# Altium PCB Meter50_v6.PcbDoc (part 2 of 3) (continued)
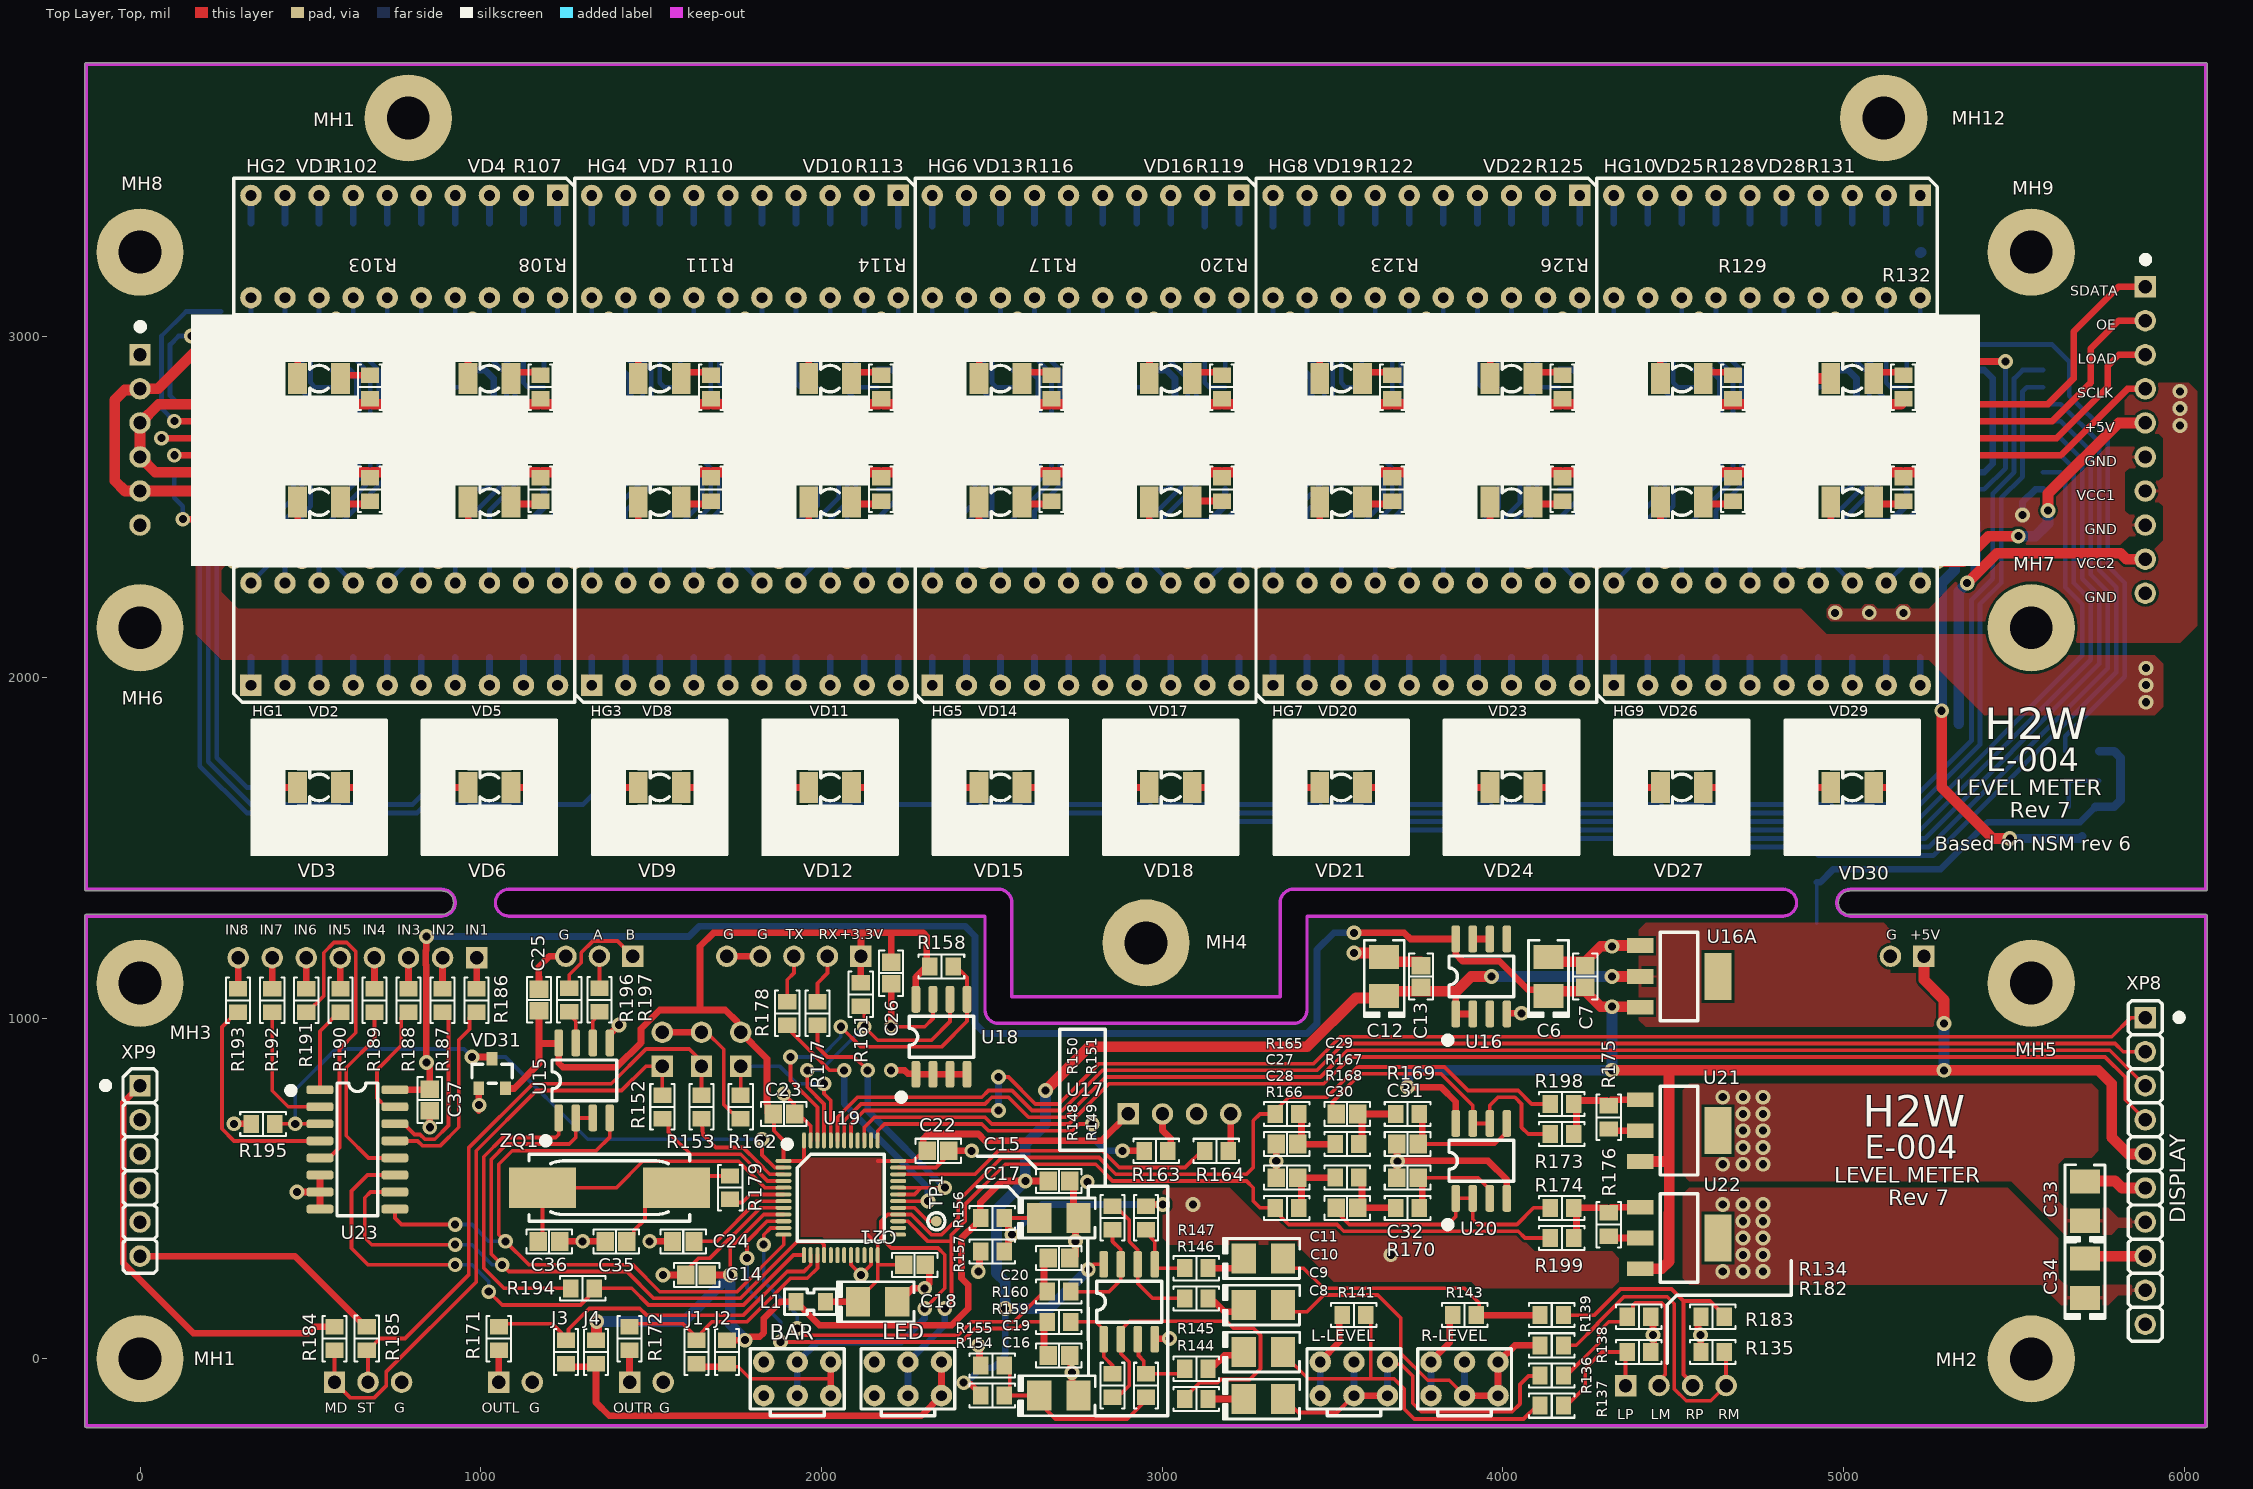
[diagram p0: Top Layer, Top view]
## Nets (pads, with @x,y where several pads share a name; then routed paths per layer and width w, separated by ;. In a path a pad name is that pad's centre, name@x,y a point inside that pad or via, vN(x,y) a via of type N, cw(c..) or ccw(c..) an arc to the next point about the centre after c; other vN are vias at no path point) (continued)
  Bottom Layer, Bottom w13.78: HG8.12@3425.59,3114.37 3425.59,2994.37 3500.59,2919.37 3500.59,2826.87 3525.59,2801.87 U9.3@3585.59,2801.87
L33: HG8.13 U9.2 | length 315.2
  Bottom Layer, Bottom w13.78: HG8.13@3525.59,3114.37 3525.59,2864.37 3538.09,2851.87 U9.2@3585.59,2851.87
L34: HG8.14 U9.1 | length 229.1
  Bottom Layer, Bottom w13.78: U9.1@3585.59,2901.87 3585.59,2999.37 3625.59,3039.37 HG8.14@3625.59,3114.37
L35: HG8.15 U10.15 | length 330.5
  Bottom Layer, Bottom w13.78: HG8.15@3725.59,3114.37 3725.59,2976.87 3700.59,2951.87 3700.59,2864.37 3713.09,2851.87 U10.15@3765.59,2851.87
L36: HG8.16 U10.3 | length 413.9
  Bottom Layer, Bottom w13.78: HG8.16@3825.59,3114.37 3825.59,2976.87 3900.59,2901.87 3900.59,2826.87 3925.59,2801.87 U10.3@3985.59,2801.87
L37: HG8.17 U10.2 | length 315.2
  Bottom Layer, Bottom w13.78: HG8.17@3925.59,3114.37 3925.59,2864.37 3938.09,2851.87 U10.2@3985.59,2851.87
L38: HG8.18 U10.1 | length 229.1
  Bottom Layer, Bottom w13.78: U10.1@3985.59,2901.87 3985.59,2999.37 4025.59,3039.37 HG8.18@4025.59,3114.37
L39: HG8.19 U11.15 | length 330.5
  Bottom Layer, Bottom w13.78: HG8.19@4125.59,3114.37 4125.59,2976.87 4100.59,2951.87 4100.59,2864.37 4113.09,2851.87 U11.15@4165.59,2851.87
L40: HG8.20 U11.3 | length 413.9
  Bottom Layer, Bottom w13.78: HG8.20@4225.59,3114.37 4225.59,2976.87 4300.59,2901.87 4300.59,2826.87 4325.59,2801.87 U11.3@4385.59,2801.87
L41: HG10.11 U11.2 | length 315.2
  Bottom Layer, Bottom w13.78: HG10.11@4325.59,3114.37 4325.59,2864.37 4338.09,2851.87 U11.2@4385.59,2851.87
L42: HG10.12 U11.1 | length 229.1
  Bottom Layer, Bottom w13.78: U11.1@4385.59,2901.87 4385.59,2999.37 4425.59,3039.37 HG10.12@4425.59,3114.37
L43: HG10.13 U12.15 | length 330.5
  Bottom Layer, Bottom w13.78: HG10.13@4525.59,3114.37 4525.59,2976.87 4500.59,2951.87 4500.59,2864.37 4513.09,2851.87 U12.15@4565.59,2851.87
L44: HG10.14 U12.3 | length 413.9
  Bottom Layer, Bottom w13.78: HG10.14@4625.59,3114.37 4625.59,2976.87 4700.59,2901.87 4700.59,2826.87 4725.59,2801.87 U12.3@4785.59,2801.87
L45: HG10.15 U12.2 | length 315.2
  Bottom Layer, Bottom w13.78: HG10.15@4725.59,3114.37 4725.59,2864.37 4738.09,2851.87 U12.2@4785.59,2851.87
L46: HG10.16 U12.1 | length 229.1
  Bottom Layer, Bottom w13.78: U12.1@4785.59,2901.87 4785.59,2999.37 4825.59,3039.37 HG10.16@4825.59,3114.37
L47: HG10.17 U13.15 | length 330.5
  Bottom Layer, Bottom w13.78: HG10.17@4925.59,3114.37 4925.59,2976.87 4900.59,2951.87 4900.59,2864.37 4913.09,2851.87 U13.15@4965.59,2851.87
L48: HG10.18 U13.3 | length 406.6
  Bottom Layer, Bottom w13.78: HG10.18@5025.59,3114.37 5025.59,2976.87 5100.59,2901.87 5100.59,2839.37 5138.09,2801.87 U13.3@5185.59,2801.87
L49: HG10.19 U13.2 | length 315.2
  Bottom Layer, Bottom w13.78: HG10.19@5125.59,3114.37 5125.59,2864.37 5138.09,2851.87 U13.2@5185.59,2851.87
L50: HG10.20 U13.1 | length 229.1
  Bottom Layer, Bottom w13.78: U13.1@5185.59,2901.87 5185.59,2999.37 5225.59,3039.37 HG10.20@5225.59,3114.37
LOAD: U1.12 U2.12 U3.12 U4.12 U5.12 U6.12 U7.12 U8.12 U9.12 U10.12 U11.12 U12.12 U13.12 U14.12 XS1.3 | length 7395.8
  Top Layer, Top w19.68: v1(63.09,2701.87) v1(463.09,2701.87) v1(863.09,2701.87) v1(1263.09,2701.87) v1(1663.09,2701.87) v1(2063.09,2701.87) v1(2463.09,2701.87) v1(2863.09,2701.87) v1(3263.09,2701.87) v1(3663.09,2701.87) v1(4063.09,2701.87) v1(4463.09,2701.87) v1(4863.09,2701.87) v1(5263.09,2701.87) 5625.59,2701.87 5775.59,2851.87 5775.59,2914.37 5808.07,2946.85 XS1.3@5885.83,2946.85
  Bottom Layer, Bottom w13.78: v1(63.09,2701.87) U1.12@165.59,2701.87 ; v1(463.09,2701.87) U2.12@565.59,2701.87 ; v1(863.09,2701.87) U3.12@965.59,2701.87 ; v1(1263.09,2701.87) U4.12@1365.59,2701.87 ; v1(1663.09,2701.87) U5.12@1765.59,2701.87 ; v1(2063.09,2701.87) U6.12@2165.59,2701.87 ; v1(2463.09,2701.87) U7.12@2565.59,2701.87 ; v1(2863.09,2701.87) U8.12@2965.59,2701.87 ; v1(3263.09,2701.87) U9.12@3365.59,2701.87 ; v1(3663.09,2701.87) U10.12@3765.59,2701.87 ; v1(4063.09,2701.87) U11.12@4165.59,2701.87 ; v1(4463.09,2701.87) U12.12@4565.59,2701.87 ; v1(4863.09,2701.87) U13.12@4965.59,2701.87 ; v1(5263.09,2701.87) U14.12@5365.59,2701.87
LOADP: U19.42 XP8.3 | length 4054.7
  Top Layer, Top w11: U19.42@2066.93,640.75 2066.93,698.82 2116.14,748.03 2480.31,748.03 2500,767.72 2549.21,767.72 2608.27,708.66 2716.54,708.66 2834.65,826.77 3464.57,826.77 3543.31,905.51 5781.5,905.51 XP8.3@5885.83,801.18
MD: JP1.1 R152.1 R184.2 XP10.1 | length 1801.8
  Top Layer, Top w11: R184.2@570.87,24.61 XP10.1@570.87,-68.9 616.14,-114.17 688.05,-114.17 722.44,-79.78 722.44,-38.78 986.71,225.49 986.71,610.49 1163.62,787.4 1413.62,787.4 1484.34,858.12 JP1.1@1533.09,858.12 R152.1@1533.09,783.1
MD1: R152.2 U19.4 | length 445.1
  Top Layer, Top w11: R152.2@1533.09,704.92 1551.02,687.78 1551.02,663.53 1554.31,660.24 1616.42,600.39 1763.13,600.39 1795.47,568.05 1795.47,567.83 1841.65,521.65 U19.4@1888.78,521.65
MD2: R153.1 U19.3 | length 332.3
  Top Layer, Top w11: R153.1@1648.09,704.92 1649.57,687.78 1652.16,657.8 1689.88,620.08 1770.13,620.08 1814.35,575.86 1814.35,575.65 1848.66,541.34 U19.3@1888.78,541.34
MUX: R195.2 U19.2 U23.3 VD31.3 | length 1948.1
  Top Layer, Top w11: R195.2@395.59,689.37 v1(455.59,689.37) U23.3@528.09,689.37 ; v1(1825.59,644.37) 1825.59,598.34 1862.91,561.02 U19.2@1888.78,561.02
  Top Layer, Top w19.68: v1(974.41,885.83) 1027.56,885.83 VD31.3@1033.46,879.92
  Bottom Layer, Bottom w11: v1(455.59,689.37) 455.59,789.37 575.59,909.37 950.87,909.37 v1(974.41,885.83) 1072.83,885.83 1314.29,644.37 v1(1825.59,644.37)
NetC8_1: C8.1 R144.2 | length 90.6
  Top Layer, Top w19.68: R144.2@3143.7,-118.11 C8.1@3234.25,-118.11
NetC8_2: C8.2 pad.0@3562.99,-9.84 pad.0@3661.42,-108.27 R136.1 R140.2 R140.3 | length 1167.2
  Top Layer, Top w11: C8.2@3360.24,-118.11 3399.61,-157.48 3513.78,-157.48 R140.2@3562.99,-108.27 ; R140.3@3661.42,-9.84 3667.71,-16.14 3701.1,-16.14 3735.59,-50.63 3735.59,-130.63 3760.59,-155.63 4027.44,-155.63 4050.59,-132.48 4050.59,-75.63 4075.82,-50.4 4108.06,-50.4 R136.1@4109.25,-49.21
  Top Layer, Top w19.68: R140.2@3562.99,-108.27 pad.0@3661.42,-108.27
  Bottom Layer, Bottom w19.68: R140.2@3562.99,-108.27 pad.0@3562.99,-9.84 ; pad.0@3661.42,-108.27 R140.3@3661.42,-9.84
NetC9_1: C9.1 R145.2 | length 106.9
  Top Layer, Top w19.68: R145.2@3143.7,-29.53 3183.07,9.84 C9.1@3234.25,9.84
NetC9_2: C9.2 R137.1 R141.1 | length 1061.9
  Top Layer, Top w11: C9.2@3360.24,5.91 3360.24,9.84 3429.13,-59.06 3612.2,-59.06 ; R141.1@3606.3,127.95 3612.2,122.05 3612.2,-59.06 ; R137.1@4100.39,-137.8 4061.02,-177.17 3740.16,-177.17 3710.63,-147.64 3710.63,-88.58 3681.1,-59.06 3612.2,-59.06
NetC10_1: C10.1 R146.2 | length 106.9
  Top Layer, Top w19.68: R146.2@3143.7,177.17 3183.07,137.8 C10.1@3234.25,137.8
NetC10_2: C10.2 pad.0@3887.8,-9.84 pad.0@3986.22,-108.27 R138.1 R142.2 R142.3 | length 1261.6
  Top Layer, Top w11: C10.2@3360.24,137.8 3425.2,137.8 3474.41,187.01 3632.95,187.01 3700.59,119.37 3700.59,15.48 3779.45,-63.37 3842.9,-63.37 R142.2@3887.8,-108.27
  Top Layer, Top w19.68: R142.2@3887.8,-108.27 pad.0@3986.22,-108.27 R142.3@3986.22,-9.84 4035.43,39.37 R138.1@4100.39,39.37
  Bottom Layer, Bottom w19.68: R142.2@3887.8,-108.27 pad.0@3887.8,-9.84 ; pad.0@3986.22,-108.27 R142.3@3986.22,-9.84
  Bottom Layer, Bottom w19.7: R142.3@3986.22,-9.84 R142.3@3987.8,-8.27
NetC11_1: C11.1 R147.2 | length 90.6
  Top Layer, Top w19.68: R147.2@3143.7,265.75 C11.1@3234.25,265.75
NetC11_2: C11.2 R139.1 R143.1 | length 818
  Top Layer, Top w11: C11.2@3360.24,265.75 3415.35,265.75 3474.41,206.69 3887.8,206.69 3931.1,163.39 R143.1@3931.1,127.95
  Top Layer, Top w19.68: R143.1@3931.1,127.95 R139.1@4100.39,127.95
NetC16_1: C16.1 R149.1 R154.1 R155.2 | length 593.1
  Top Layer, Top w11: R154.1@2536.45,-108 2553.15,-108 2553.15,-36.12 R155.2@2536.45,-19.42 ; R154.1@2553.15,-108.27 C16.1@2633.86,-108.27 ; R149.1@2952.76,-122.05 2897.64,-177.17 2687.01,-177.17 2624.02,-114.17 C16.1@2633.86,-108.27 ; C16.1@2633.86,-108.27 C16.1@2639.37,-108.27 C16.1@2633.86,-108.27
NetC17_1: C17.1 R151.1 R156.1 R157.2 | length 750.8
  Top Layer, Top w7.87: R156.1@2536.29,413.39 R156.1@2553.15,413.39
  Top Layer, Top w11: R156.1@2553.15,413.39 2633.86,413.39 C17.1@2639.37,413.39
  Top Layer, Top w19.68: R157.2@2536.29,314.96 2549.09,327.76 2549.09,347.81 2559.06,357.78 2559.06,370.57 2549.09,380.53 2549.09,400.59 R156.1@2536.29,413.39 ; R151.1@2952.76,456.69 2956.69,452.76 v1(3001.97,452.76)
  Bottom Layer, Bottom w19.68: v1(2559.06,364.17) 2647.64,452.76 v1(3001.97,452.76)
NetC24_2: C24.2 U19.7 | length 299.9
  Top Layer, Top w11: C24.2@1637.8,344.49 1692.91,344.49 1811.02,462.6 U19.7@1888.78,462.6
NetC27_2: C27.2 R165.1 R167.2 | length 179.1
  Top Layer, Top w19.68: R165.1@3409.45,718.5 3409.45,629.92 R167.2@3500,629.92
NetC28_2: C28.2 R166.1 R168.2 | length 179.1
  Top Layer, Top w19.68: R166.1@3409.45,442.91 3409.45,531.5 R168.2@3500,531.5
NetC29_1: C29.1 R167.1 R169.2 | length 179.1
  Top Layer, Top w19.68: R167.1@3586.61,629.92 3586.61,718.5 R169.2@3677.17,718.5
NetC29_2: C29.2 R173.1 U20.6 U20.7 | length 939
  Top Layer, Top w11: C29.2@3500,718.5 3500,753.94 3582.68,836.61 3818.9,836.61 3912.01,743.5 U20.7@3912.01,690.71 U20.6@3962.01,690.71 3962.01,743.5 3986.22,767.72 4035.43,767.72 4055.12,748.03 4055.12,679.13 4074.8,659.45 R173.1@4129.92,659.45
NetC30_1: C30.1 R168.1 R170.2 | length 179.1
  Top Layer, Top w19.68: R168.1@3586.61,531.5 3586.61,442.91 R170.2@3677.17,442.91
NetC30_2: C30.2 R174.1 U20.1 U20.2 | length 802.1
  Top Layer, Top w11: C30.2@3500,442.91 3549.21,393.7 3838.58,393.7 3862.01,417.13 U20.1@3862.01,470.71 U20.2@3912.01,470.71 3912.01,408.86 3927.17,393.7 4041.34,393.7 4090.55,442.91 R174.1@4129.92,442.91
NetC31_2: C31.2 R169.1 U20.5 | length 376.7
  Top Layer, Top w11: C31.2@3763.78,629.92 3976.38,629.92 4012.01,665.55 U20.5@4012.01,690.71
  Top Layer, Top w19.68: C31.2@3763.78,629.92 R169.1@3763.78,718.5
NetC32_2: C32.2 R170.1 U20.3 | length 327.2
  Top Layer, Top w11: C32.2@3763.78,531.5 3927.17,531.5 3962.01,496.65 U20.3@3962.01,470.71
  Top Layer, Top w19.68: R170.1@3763.78,442.91 C32.2@3763.78,531.5
NetC35_2: C35.2 R179.2 ZQ1.1 | length 412.6
  Top Layer, Top w11: C35.2@1429.13,344.49 1449.22,364.58 1449.22,376.39 1481.88,409.04 1481.88,448.41 1535.43,501.97 ZQ1.1@1574.8,501.97 1609.25,536.42 R179.2@1732.28,536.42
NetC36_2: C36.2 U19.5 ZQ1.2 | length 934.3
  Top Layer, Top w11: C36.2@1169.29,344.49 1181.1,356.3 ZQ1.2@1181.1,501.97 1398.41,501.97 1475.81,579.37 1757.46,579.37 1776.6,560.23 1776.6,560.01 1834.64,501.97 U19.5@1888.78,501.97
NetHG1_1: HG1.1 R3.2 | length 81.7
  Bottom Layer, Bottom w19.68: HG1.1@325.59,1976.87 R3.2@325.59,2058.56
NetHG1_2: HG1.2 R5.2 | length 81.7
  Bottom Layer, Bottom w19.68: HG1.2@425.59,1976.87 R5.2@425.59,2058.56
NetHG1_3: HG1.3 R7.2 | length 81.7
  Bottom Layer, Bottom w19.68: HG1.3@525.59,1976.87 R7.2@525.59,2058.56
NetHG1_4: HG1.4 R9.2 | length 81.7
  Bottom Layer, Bottom w19.68: HG1.4@625.59,1976.87 R9.2@625.59,2058.56
NetHG1_5: HG1.5 R11.2 | length 81.7
  Bottom Layer, Bottom w19.68: HG1.5@725.59,1976.87 R11.2@725.59,2058.56
NetHG1_6: HG1.6 R13.2 | length 81.7
  Bottom Layer, Bottom w19.68: HG1.6@825.59,1976.87 R13.2@825.59,2058.56
NetHG1_7: HG1.7 R15.2 | length 81.7
  Bottom Layer, Bottom w19.68: HG1.7@925.59,1976.87 R15.2@925.59,2058.56
NetHG1_8: HG1.8 R17.2 | length 81.7
  Bottom Layer, Bottom w19.68: HG1.8@1025.59,1976.87 R17.2@1025.59,2058.56
NetHG1_9: HG1.9 R19.2 | length 81.7
  Bottom Layer, Bottom w19.68: HG1.9@1125.59,1976.87 R19.2@1125.59,2058.56
NetHG1_10: HG1.10 R21.2 | length 81.7
  Bottom Layer, Bottom w19.68: HG1.10@1225.59,1976.87 R21.2@1225.59,2058.56
NetHG2_1: HG2.1 R20.1 | length 81.7
  Bottom Layer, Bottom w19.68: R20.1@1225.59,3332.68 HG2.1@1225.59,3414.37
NetHG2_2: HG2.2 R18.1 | length 81.7
  Bottom Layer, Bottom w19.68: R18.1@1125.59,3332.68 HG2.2@1125.59,3414.37
NetHG2_3: HG2.3 R16.1 | length 81.7
  Bottom Layer, Bottom w19.68: R16.1@1025.59,3332.68 HG2.3@1025.59,3414.37
NetHG2_4: HG2.4 R14.1 | length 81.7
  Bottom Layer, Bottom w19.68: R14.1@925.59,3332.68 HG2.4@925.59,3414.37
NetHG2_5: HG2.5 R12.1 | length 81.7
  Bottom Layer, Bottom w19.68: R12.1@825.59,3332.68 HG2.5@825.59,3414.37
NetHG2_6: HG2.6 R10.1 | length 81.7
  Bottom Layer, Bottom w19.68: R10.1@725.59,3332.68 HG2.6@725.59,3414.37
NetHG2_7: HG2.7 R8.1 | length 81.7
  Bottom Layer, Bottom w19.68: R8.1@625.59,3332.68 HG2.7@625.59,3414.37
NetHG2_8: HG2.8 R6.1 | length 81.7
  Bottom Layer, Bottom w19.68: R6.1@525.59,3332.68 HG2.8@525.59,3414.37
NetHG2_9: HG2.9 R4.1 | length 81.7
  Bottom Layer, Bottom w19.68: R4.1@425.59,3332.68 HG2.9@425.59,3414.37
NetHG2_10: HG2.10 R2.1 | length 81.7
  Bottom Layer, Bottom w19.68: R2.1@325.59,3332.68 HG2.10@325.59,3414.37
NetHG3_1: HG3.1 R23.2 | length 81.7
  Bottom Layer, Bottom w19.68: HG3.1@1325.59,1976.87 R23.2@1325.59,2058.56
NetHG3_2: HG3.2 R25.2 | length 81.7
  Bottom Layer, Bottom w19.68: HG3.2@1425.59,1976.87 R25.2@1425.59,2058.56
NetHG3_3: HG3.3 R27.2 | length 81.7
  Bottom Layer, Bottom w19.68: HG3.3@1525.59,1976.87 R27.2@1525.59,2058.56
NetHG3_4: HG3.4 R29.2 | length 81.7
  Bottom Layer, Bottom w19.68: HG3.4@1625.59,1976.87 R29.2@1625.59,2058.56
NetHG3_5: HG3.5 R31.2 | length 81.7
  Bottom Layer, Bottom w19.68: HG3.5@1725.59,1976.87 R31.2@1725.59,2058.56
NetHG3_6: HG3.6 R33.2 | length 81.7
  Bottom Layer, Bottom w19.68: HG3.6@1825.59,1976.87 R33.2@1825.59,2058.56
NetHG3_7: HG3.7 R35.2 | length 81.7
  Bottom Layer, Bottom w19.68: HG3.7@1925.59,1976.87 R35.2@1925.59,2058.56
NetHG3_8: HG3.8 R37.2 | length 81.7
  Bottom Layer, Bottom w19.68: HG3.8@2025.59,1976.87 R37.2@2025.59,2058.56
NetHG3_9: HG3.9 R39.2 | length 81.7
  Bottom Layer, Bottom w19.68: HG3.9@2125.59,1976.87 R39.2@2125.59,2058.56
NetHG3_10: HG3.10 R41.2 | length 81.7
  Bottom Layer, Bottom w19.68: HG3.10@2225.59,1976.87 R41.2@2225.59,2058.56
NetHG4_1: HG4.1 R40.1 | length 90.6
  Bottom Layer, Bottom w19.68: R40.1@2225.59,3323.82 HG4.1@2225.59,3414.37
NetHG4_2: HG4.2 R38.1 | length 81.7
  Bottom Layer, Bottom w19.68: R38.1@2125.59,3332.68 HG4.2@2125.59,3414.37
NetHG4_3: HG4.3 R36.1 | length 81.7
  Bottom Layer, Bottom w19.68: R36.1@2025.59,3332.68 HG4.3@2025.59,3414.37
NetHG4_4: HG4.4 R34.1 | length 81.7
  Bottom Layer, Bottom w19.68: R34.1@1925.59,3332.68 HG4.4@1925.59,3414.37
NetHG4_5: HG4.5 R32.1 | length 81.7
  Bottom Layer, Bottom w19.68: R32.1@1825.59,3332.68 HG4.5@1825.59,3414.37
NetHG4_6: HG4.6 R30.1 | length 81.7
  Bottom Layer, Bottom w19.68: R30.1@1725.59,3332.68 HG4.6@1725.59,3414.37
NetHG4_7: HG4.7 R28.1 | length 81.7
  Bottom Layer, Bottom w19.68: R28.1@1625.59,3332.68 HG4.7@1625.59,3414.37
NetHG4_8: HG4.8 R26.1 | length 81.7
  Bottom Layer, Bottom w19.68: R26.1@1525.59,3332.68 HG4.8@1525.59,3414.37
NetHG4_9: HG4.9 R24.1 | length 81.7
  Bottom Layer, Bottom w19.68: R24.1@1425.59,3332.68 HG4.9@1425.59,3414.37
NetHG4_10: HG4.10 R22.1 | length 81.7
  Bottom Layer, Bottom w19.68: R22.1@1325.59,3332.68 HG4.10@1325.59,3414.37
NetHG5_1: HG5.1 R43.2 | length 81.7
  Bottom Layer, Bottom w19.68: HG5.1@2325.59,1976.87 R43.2@2325.59,2058.56
NetHG5_2: HG5.2 R45.2 | length 81.7
  Bottom Layer, Bottom w19.68: HG5.2@2425.59,1976.87 R45.2@2425.59,2058.56
NetHG5_3: HG5.3 R47.2 | length 81.7
  Bottom Layer, Bottom w19.68: HG5.3@2525.59,1976.87 R47.2@2525.59,2058.56
NetHG5_4: HG5.4 R49.2 | length 81.7
  Bottom Layer, Bottom w19.68: HG5.4@2625.59,1976.87 R49.2@2625.59,2058.56
NetHG5_5: HG5.5 R51.2 | length 81.7
  Bottom Layer, Bottom w19.68: HG5.5@2725.59,1976.87 R51.2@2725.59,2058.56
NetHG5_6: HG5.6 R53.2 | length 81.7
  Bottom Layer, Bottom w19.68: HG5.6@2825.59,1976.87 R53.2@2825.59,2058.56
NetHG5_7: HG5.7 R55.2 | length 81.7
  Bottom Layer, Bottom w19.68: HG5.7@2925.59,1976.87 R55.2@2925.59,2058.56
NetHG5_8: HG5.8 R57.2 | length 81.7
  Bottom Layer, Bottom w19.68: HG5.8@3025.59,1976.87 R57.2@3025.59,2058.56
NetHG5_9: HG5.9 R59.2 | length 81.7
  Bottom Layer, Bottom w19.68: HG5.9@3125.59,1976.87 R59.2@3125.59,2058.56
NetHG5_10: HG5.10 R61.2 | length 81.7
  Bottom Layer, Bottom w19.68: HG5.10@3225.59,1976.87 R61.2@3225.59,2058.56
NetHG6_1: HG6.1 R60.1 | length 81.7
  Bottom Layer, Bottom w19.68: R60.1@3225.59,3332.68 HG6.1@3225.59,3414.37
NetHG6_2: HG6.2 R58.1 | length 90.6
  Bottom Layer, Bottom w19.68: R58.1@3125.59,3323.82 HG6.2@3125.59,3414.37
NetHG6_3: HG6.3 R56.1 | length 81.7
  Bottom Layer, Bottom w19.68: R56.1@3025.59,3332.68 HG6.3@3025.59,3414.37
NetHG6_4: HG6.4 R54.1 | length 81.7
  Bottom Layer, Bottom w19.68: R54.1@2925.59,3332.68 HG6.4@2925.59,3414.37
NetHG6_5: HG6.5 R52.1 | length 81.7
  Bottom Layer, Bottom w19.68: R52.1@2825.59,3332.68 HG6.5@2825.59,3414.37
NetHG6_6: HG6.6 R50.1 | length 81.7
  Bottom Layer, Bottom w19.68: R50.1@2725.59,3332.68 HG6.6@2725.59,3414.37
NetHG6_7: HG6.7 R48.1 | length 81.7
  Bottom Layer, Bottom w19.68: R48.1@2625.59,3332.68 HG6.7@2625.59,3414.37
NetHG6_8: HG6.8 R46.1 | length 81.7
  Bottom Layer, Bottom w19.68: R46.1@2525.59,3332.68 HG6.8@2525.59,3414.37
NetHG6_9: HG6.9 R44.1 | length 81.7
  Bottom Layer, Bottom w19.68: R44.1@2425.59,3332.68 HG6.9@2425.59,3414.37
NetHG6_10: HG6.10 R42.1 | length 90.6
  Bottom Layer, Bottom w19.68: R42.1@2325.59,3323.82 HG6.10@2325.59,3414.37
NetHG7_1: HG7.1 R63.2 | length 81.7
  Bottom Layer, Bottom w19.68: HG7.1@3325.59,1976.87 R63.2@3325.59,2058.56
NetHG7_2: HG7.2 R65.2 | length 81.7
  Bottom Layer, Bottom w19.68: HG7.2@3425.59,1976.87 R65.2@3425.59,2058.56
NetHG7_3: HG7.3 R67.2 | length 81.7
  Bottom Layer, Bottom w19.68: HG7.3@3525.59,1976.87 R67.2@3525.59,2058.56
NetHG7_4: HG7.4 R69.2 | length 81.7
  Bottom Layer, Bottom w19.68: HG7.4@3625.59,1976.87 R69.2@3625.59,2058.56
NetHG7_5: HG7.5 R71.2 | length 81.7
  Bottom Layer, Bottom w19.68: HG7.5@3725.59,1976.87 R71.2@3725.59,2058.56
NetHG7_6: HG7.6 R73.2 | length 81.7
  Bottom Layer, Bottom w19.68: HG7.6@3825.59,1976.87 R73.2@3825.59,2058.56
NetHG7_7: HG7.7 R75.2 | length 81.7
  Bottom Layer, Bottom w19.68: HG7.7@3925.59,1976.87 R75.2@3925.59,2058.56
NetHG7_8: HG7.8 R77.2 | length 81.7
  Bottom Layer, Bottom w19.68: HG7.8@4025.59,1976.87 R77.2@4025.59,2058.56
NetHG7_9: HG7.9 R79.2 | length 81.7
  Bottom Layer, Bottom w19.68: HG7.9@4125.59,1976.87 R79.2@4125.59,2058.56
NetHG7_10: HG7.10 R81.2 | length 81.7
  Bottom Layer, Bottom w19.68: HG7.10@4225.59,1976.87 R81.2@4225.59,2058.56
NetHG8_1: HG8.1 R80.1 | length 81.7
  Bottom Layer, Bottom w19.68: R80.1@4225.59,3332.68 HG8.1@4225.59,3414.37
NetHG8_2: HG8.2 R78.1 | length 81.7
  Bottom Layer, Bottom w19.68: R78.1@4125.59,3332.68 HG8.2@4125.59,3414.37
NetHG8_3: HG8.3 R76.1 | length 81.7
  Bottom Layer, Bottom w19.68: R76.1@4025.59,3332.68 HG8.3@4025.59,3414.37
NetHG8_4: HG8.4 R74.1 | length 81.7
  Bottom Layer, Bottom w19.68: R74.1@3925.59,3332.68 HG8.4@3925.59,3414.37
NetHG8_5: HG8.5 R72.1 | length 81.7
  Bottom Layer, Bottom w19.68: R72.1@3825.59,3332.68 HG8.5@3825.59,3414.37
NetHG8_6: HG8.6 R70.1 | length 81.7
  Bottom Layer, Bottom w19.68: R70.1@3725.59,3332.68 HG8.6@3725.59,3414.37
NetHG8_7: HG8.7 R68.1 | length 81.7
  Bottom Layer, Bottom w19.68: R68.1@3625.59,3332.68 HG8.7@3625.59,3414.37
NetHG8_8: HG8.8 R66.1 | length 81.7
  Bottom Layer, Bottom w19.68: R66.1@3525.59,3332.68 HG8.8@3525.59,3414.37
NetHG8_9: HG8.9 R64.1 | length 81.7
  Bottom Layer, Bottom w19.68: R64.1@3425.59,3332.68 HG8.9@3425.59,3414.37
NetHG8_10: HG8.10 R62.1 | length 90.6
  Bottom Layer, Bottom w19.68: R62.1@3325.59,3323.82 HG8.10@3325.59,3414.37
NetHG9_1: HG9.1 R83.2 | length 81.7
  Bottom Layer, Bottom w19.68: HG9.1@4325.59,1976.87 R83.2@4325.59,2058.56
NetHG9_2: HG9.2 R85.2 | length 81.7
  Bottom Layer, Bottom w19.68: HG9.2@4425.59,1976.87 R85.2@4425.59,2058.56
NetHG9_3: HG9.3 R87.2 | length 81.7
  Bottom Layer, Bottom w19.68: HG9.3@4525.59,1976.87 R87.2@4525.59,2058.56
NetHG9_4: HG9.4 R89.2 | length 81.7
  Bottom Layer, Bottom w19.68: HG9.4@4625.59,1976.87 R89.2@4625.59,2058.56
NetHG9_5: HG9.5 R91.2 | length 81.7
  Bottom Layer, Bottom w19.68: HG9.5@4725.59,1976.87 R91.2@4725.59,2058.56
NetHG9_6: HG9.6 R93.2 | length 81.7
  Bottom Layer, Bottom w19.68: HG9.6@4825.59,1976.87 R93.2@4825.59,2058.56
NetHG9_7: HG9.7 R95.2 | length 81.7
  Bottom Layer, Bottom w19.68: HG9.7@4925.59,1976.87 R95.2@4925.59,2058.56
NetHG9_8: HG9.8 R97.2 | length 81.7
  Bottom Layer, Bottom w19.68: HG9.8@5025.59,1976.87 R97.2@5025.59,2058.56
NetHG9_9: HG9.9 R99.2 | length 81.7
  Bottom Layer, Bottom w19.68: HG9.9@5125.59,1976.87 R99.2@5125.59,2058.56
NetHG9_10: HG9.10 R101.2 | length 81.7
  Bottom Layer, Bottom w19.68: HG9.10@5225.59,1976.87 R101.2@5225.59,2058.56
NetHG10_1: HG10.1 R100.1 | length 81.7
  Bottom Layer, Bottom w19.68: R100.1@5225.59,3332.68 HG10.1@5225.59,3414.37
NetHG10_2: HG10.2 R98.1 | length 81.7
  Bottom Layer, Bottom w19.68: R98.1@5125.59,3332.68 HG10.2@5125.59,3414.37
NetHG10_3: HG10.3 R96.1 | length 81.7
  Bottom Layer, Bottom w19.68: R96.1@5025.59,3332.68 HG10.3@5025.59,3414.37
NetHG10_4: HG10.4 R94.1 | length 81.7
  Bottom Layer, Bottom w19.68: R94.1@4925.59,3332.68 HG10.4@4925.59,3414.37
NetHG10_5: HG10.5 R92.1 | length 81.7
  Bottom Layer, Bottom w19.68: R92.1@4825.59,3332.68 HG10.5@4825.59,3414.37
NetHG10_6: HG10.6 R90.1 | length 81.7
  Bottom Layer, Bottom w19.68: R90.1@4725.59,3332.68 HG10.6@4725.59,3414.37
NetHG10_7: HG10.7 R88.1 | length 81.7
  Bottom Layer, Bottom w19.68: R88.1@4625.59,3332.68 HG10.7@4625.59,3414.37
NetHG10_8: HG10.8 R86.1 | length 81.7
  Bottom Layer, Bottom w19.68: R86.1@4525.59,3332.68 HG10.8@4525.59,3414.37
NetHG10_9: HG10.9 R84.1 | length 81.7
  Bottom Layer, Bottom w19.68: R84.1@4425.59,3332.68 HG10.9@4425.59,3414.37
NetHG10_10: HG10.10 R82.1 | length 81.7
  Bottom Layer, Bottom w19.68: R82.1@4325.59,3332.68 HG10.10@4325.59,3414.37
NetJ1_2: J1.2 J2.2 pad.0@2027.56,-108.27 R180.3 | length 607.5
  Top Layer, Top w11: J2.2@1722.44,-23.62 1755.91,-23.62 1791.34,-59.06 2027.56,-59.06
  Top Layer, Top w19.68: J1.2@1633.86,-23.62 J2.2@1722.44,-23.62 ; pad.0@2027.56,-108.27 2027.56,-59.06 R180.3@2027.56,-9.84 R180.3@2029.13,-8.27
  Bottom Layer, Bottom w19.68: pad.0@2027.56,-108.27 R180.3@2027.56,-9.84
NetJ3_2: J3.2 J4.2 pad.0@2352.36,-108.27 R181.3 | length 1446.9
  Top Layer, Top w19.68: J3.2@1250,-23.62 1338.58,-23.62 1338.58,-128.62 1377.28,-167.32 2293.31,-167.32 pad.0@2352.36,-108.27 R181.3@2352.36,-9.84 R181.3@2353.94,-8.27
  Bottom Layer, Bottom w19.68: pad.0@2352.36,-108.27 R181.3@2352.36,-9.84
NetJP3_1: JP3.1 R162.2 U19.44 | length 515.9
  Top Layer, Top w11: R162.2@1763.09,782.68 JP3.1@1763.09,858.12 ; v1(2007.87,807.09) 2007.87,777.56 2027.56,757.87 U19.44@2027.56,640.75
  Bottom Layer, Bottom w11: JP3.1@1763.09,858.12 1878.1,858.12 1929.13,807.09 v1(2007.87,807.09)
NetR102_1: R102.1 VD1.2 | length 90.9
  Top Layer, Top w19.68: VD1.2@588.58,2876.87 598.03,2886.32 R102.1@675.59,2886.32
NetR103_2: R103.2 VD2.2 | length 89.4
  Top Layer, Top w19.7: VD2.2@588.58,2514.37 594.39,2508.56 R103.2@675.59,2508.56
NetR104_1: R104.1 VD3.2 | length 118.7
  Top Layer, Top w19.68: VD3.2@588.58,1676.87 v1(650.59,1676.87)
  Bottom Layer, Bottom w19.68: v1(650.59,1676.87) R104.1@650.59,1733.56
NetR105_2: R105.2 R106.2 VT1.1 | length 180.3
  Bottom Layer, Bottom w13.78: VT1.1@5661.22,1620.18 5661.22,1685.43 5650.59,1696.06 R106.2@5750.59,1696.06
NetR107_1: R107.1 VD4.2 | length 94.6
  Top Layer, Top w19.68: VD4.2@1088.58,2876.87 1106.89,2895.18 R107.1@1175.59,2895.18
NetR108_2: R108.2 VD5.2 | length 89.4
  Top Layer, Top w19.7: VD5.2@1088.58,2514.37 1094.39,2508.56 R108.2@1175.59,2508.56
NetR109_1: R109.1 VD6.2 | length 118.7
  Top Layer, Top w19.68: VD6.2@1088.58,1676.87 v1(1150.59,1676.87)
  Bottom Layer, Bottom w19.68: v1(1150.59,1676.87) R109.1@1150.59,1733.56
NetR110_1: R110.1 VD7.2 | length 94.6
  Top Layer, Top w19.68: VD7.2@1588.58,2876.87 1606.89,2895.18 R110.1@1675.59,2895.18
NetR111_2: R111.2 VD8.2 | length 89.4
  Top Layer, Top w19.7: VD8.2@1588.58,2514.37 1594.39,2508.56 R111.2@1675.59,2508.56
NetR112_1: R112.1 VD9.2 | length 118.7
  Top Layer, Top w19.68: VD9.2@1588.58,1676.87 v1(1650.59,1676.87)
  Bottom Layer, Bottom w19.68: v1(1650.59,1676.87) R112.1@1650.59,1733.56
NetR113_1: R113.1 VD10.2 | length 94.6
  Top Layer, Top w19.68: VD10.2@2088.58,2876.87 2106.89,2895.18 R113.1@2175.59,2895.18
NetR114_2: R114.2 VD11.2 | length 89.4
  Top Layer, Top w19.7: VD11.2@2088.58,2514.37 2094.39,2508.56 R114.2@2175.59,2508.56
NetR115_1: R115.1 VD12.2 | length 118.7
  Top Layer, Top w19.68: VD12.2@2088.58,1676.87 v1(2150.59,1676.87)
  Bottom Layer, Bottom w19.68: v1(2150.59,1676.87) R115.1@2150.59,1733.56
NetR116_1: R116.1 VD13.2 | length 94.6
  Top Layer, Top w19.68: VD13.2@2588.58,2876.87 2606.89,2895.18 R116.1@2675.59,2895.18
NetR117_2: R117.2 VD14.2 | length 89.4
  Top Layer, Top w19.7: VD14.2@2588.58,2514.37 2594.39,2508.56 R117.2@2675.59,2508.56
NetR118_1: R118.1 VD15.2 | length 118.7
  Top Layer, Top w19.68: VD15.2@2588.58,1676.87 v1(2650.59,1676.87)
  Bottom Layer, Bottom w19.68: v1(2650.59,1676.87) R118.1@2650.59,1733.56
NetR119_1: R119.1 VD16.2 | length 94.6
  Top Layer, Top w19.68: VD16.2@3088.58,2876.87 3106.89,2895.18 R119.1@3175.59,2895.18
NetR120_2: R120.2 VD17.2 | length 88.3
  Top Layer, Top w19.7: VD17.2@3088.58,2514.37 3091.63,2517.42 R120.2@3175.59,2517.42
NetR121_1: R121.1 VD18.2 | length 118.7
  Top Layer, Top w19.68: VD18.2@3088.58,1676.87 v1(3150.59,1676.87)
  Bottom Layer, Bottom w19.68: v1(3150.59,1676.87) R121.1@3150.59,1733.56
NetR122_1: R122.1 VD19.2 | length 94.6
  Top Layer, Top w19.68: VD19.2@3588.58,2876.87 3606.89,2895.18 R122.1@3675.59,2895.18
NetR123_2: R123.2 VD20.2 | length 89.4
  Top Layer, Top w19.7: VD20.2@3588.58,2514.37 3594.39,2508.56 R123.2@3675.59,2508.56
NetR124_1: R124.1 VD21.2 | length 118.7
  Top Layer, Top w19.68: VD21.2@3588.58,1676.87 v1(3650.59,1676.87)
  Bottom Layer, Bottom w19.68: v1(3650.59,1676.87) R124.1@3650.59,1733.56
NetR125_1: R125.1 VD22.2 | length 94.6
  Top Layer, Top w19.68: VD22.2@4088.58,2876.87 4106.89,2895.18 R125.1@4175.59,2895.18
NetR126_2: R126.2 VD23.2 | length 89.4
  Top Layer, Top w19.7: VD23.2@4088.58,2514.37 4094.39,2508.56 R126.2@4175.59,2508.56
NetR127_1: R127.1 VD24.2 | length 118.7
  Top Layer, Top w19.68: VD24.2@4088.58,1676.87 v1(4150.59,1676.87)
  Bottom Layer, Bottom w19.68: v1(4150.59,1676.87) R127.1@4150.59,1733.56
NetR128_1: R128.1 VD25.2 | length 94.6
  Top Layer, Top w19.68: VD25.2@4588.58,2876.87 4606.89,2895.18 R128.1@4675.59,2895.18
NetR129_2: R129.2 VD26.2 | length 89.4
  Top Layer, Top w19.7: VD26.2@4588.58,2514.37 4594.39,2508.56 R129.2@4675.59,2508.56
NetR130_1: R130.1 VD27.2 | length 118.7
  Top Layer, Top w19.68: VD27.2@4588.58,1676.87 v1(4650.59,1676.87)
  Bottom Layer, Bottom w19.68: v1(4650.59,1676.87) R130.1@4650.59,1733.56
NetR131_1: R131.1 VD28.2 | length 94.6
  Top Layer, Top w19.68: VD28.2@5088.58,2876.87 5106.89,2895.18 R131.1@5175.59,2895.18
NetR132_2: R132.2 VD29.2 | length 89.4
  Top Layer, Top w19.7: VD29.2@5088.58,2514.37 5094.39,2508.56 R132.2@5175.59,2508.56
NetR133_1: R133.1 VD30.2 | length 118.7
  Top Layer, Top w19.68: VD30.2@5088.58,1676.87 v1(5150.59,1676.87)
  Bottom Layer, Bottom w19.68: v1(5150.59,1676.87) R133.1@5150.59,1733.56
NetR134_2: R134.2 R136.2 XP3.2 | length 641.5
  Top Layer, Top w11: R136.2@4187.01,-49.21 4281.5,45.28 4281.5,78.74 4311.02,108.27 4356.3,108.27 R134.2@4360.73,103.84 ; R134.2@4365.16,123.27 4382.2,140.31 4382.2,156.77 4388.64,163.22 4466.4,163.22 4476.69,152.93 4476.69,-46.64 4458.66,-64.67 XP3.2@4458.66,-78.74
NetR135_2: R135.2 R138.2 XP3.4 | length 924
  Top Layer, Top w11: R138.2@4178.15,39.37 4215.43,39.37 4278.14,102.08 4278.14,104.38 4355.85,182.09 4482.86,182.09 4503.53,161.42 4503.53,-88.64 4538.5,-123.61 4610.64,-123.61 XP3.4@4655.51,-78.74 R135.2@4655.51,15.75
NetR137_2: R137.2 R182.2 XP3.1 | length 365.7
  Top Layer, Top w11: R137.2@4187.01,-137.8 4242.13,-82.68 4242.13,-29.53 4291.34,19.68 4356.3,19.68 4360.24,15.75 XP3.1@4360.24,-78.74
NetR139_2: R139.2 R183.2 XP3.3 | length 790.1
  Top Layer, Top w11: R139.2@4187.01,127.95 4269.17,127.95 4345.59,204.37 4495.46,204.37 4530.59,169.24 ; XP3.3@4557.09,-78.74 4557.09,-72.97 4530.59,-46.47 4530.59,169.24 ; R183.2@4650.59,123.27 4650.59,127.2 4633.45,144.34 4608.56,169.24 4530.59,169.24